# Altium PCB GenPulseBox.PcbDoc (part 3 of 3)
Units mm, origin at the board's own origin, x right, y up, seen from the top; angles counter-clockwise.
Board outline 140 x 74.6 mm, 4 copper layers (Top Layer, Mid-Layer 1, Mid-Layer 2, Bottom Layer), stack 1.572 mm thick; 214 components, 189 nets, 883 pads, 234 vias.
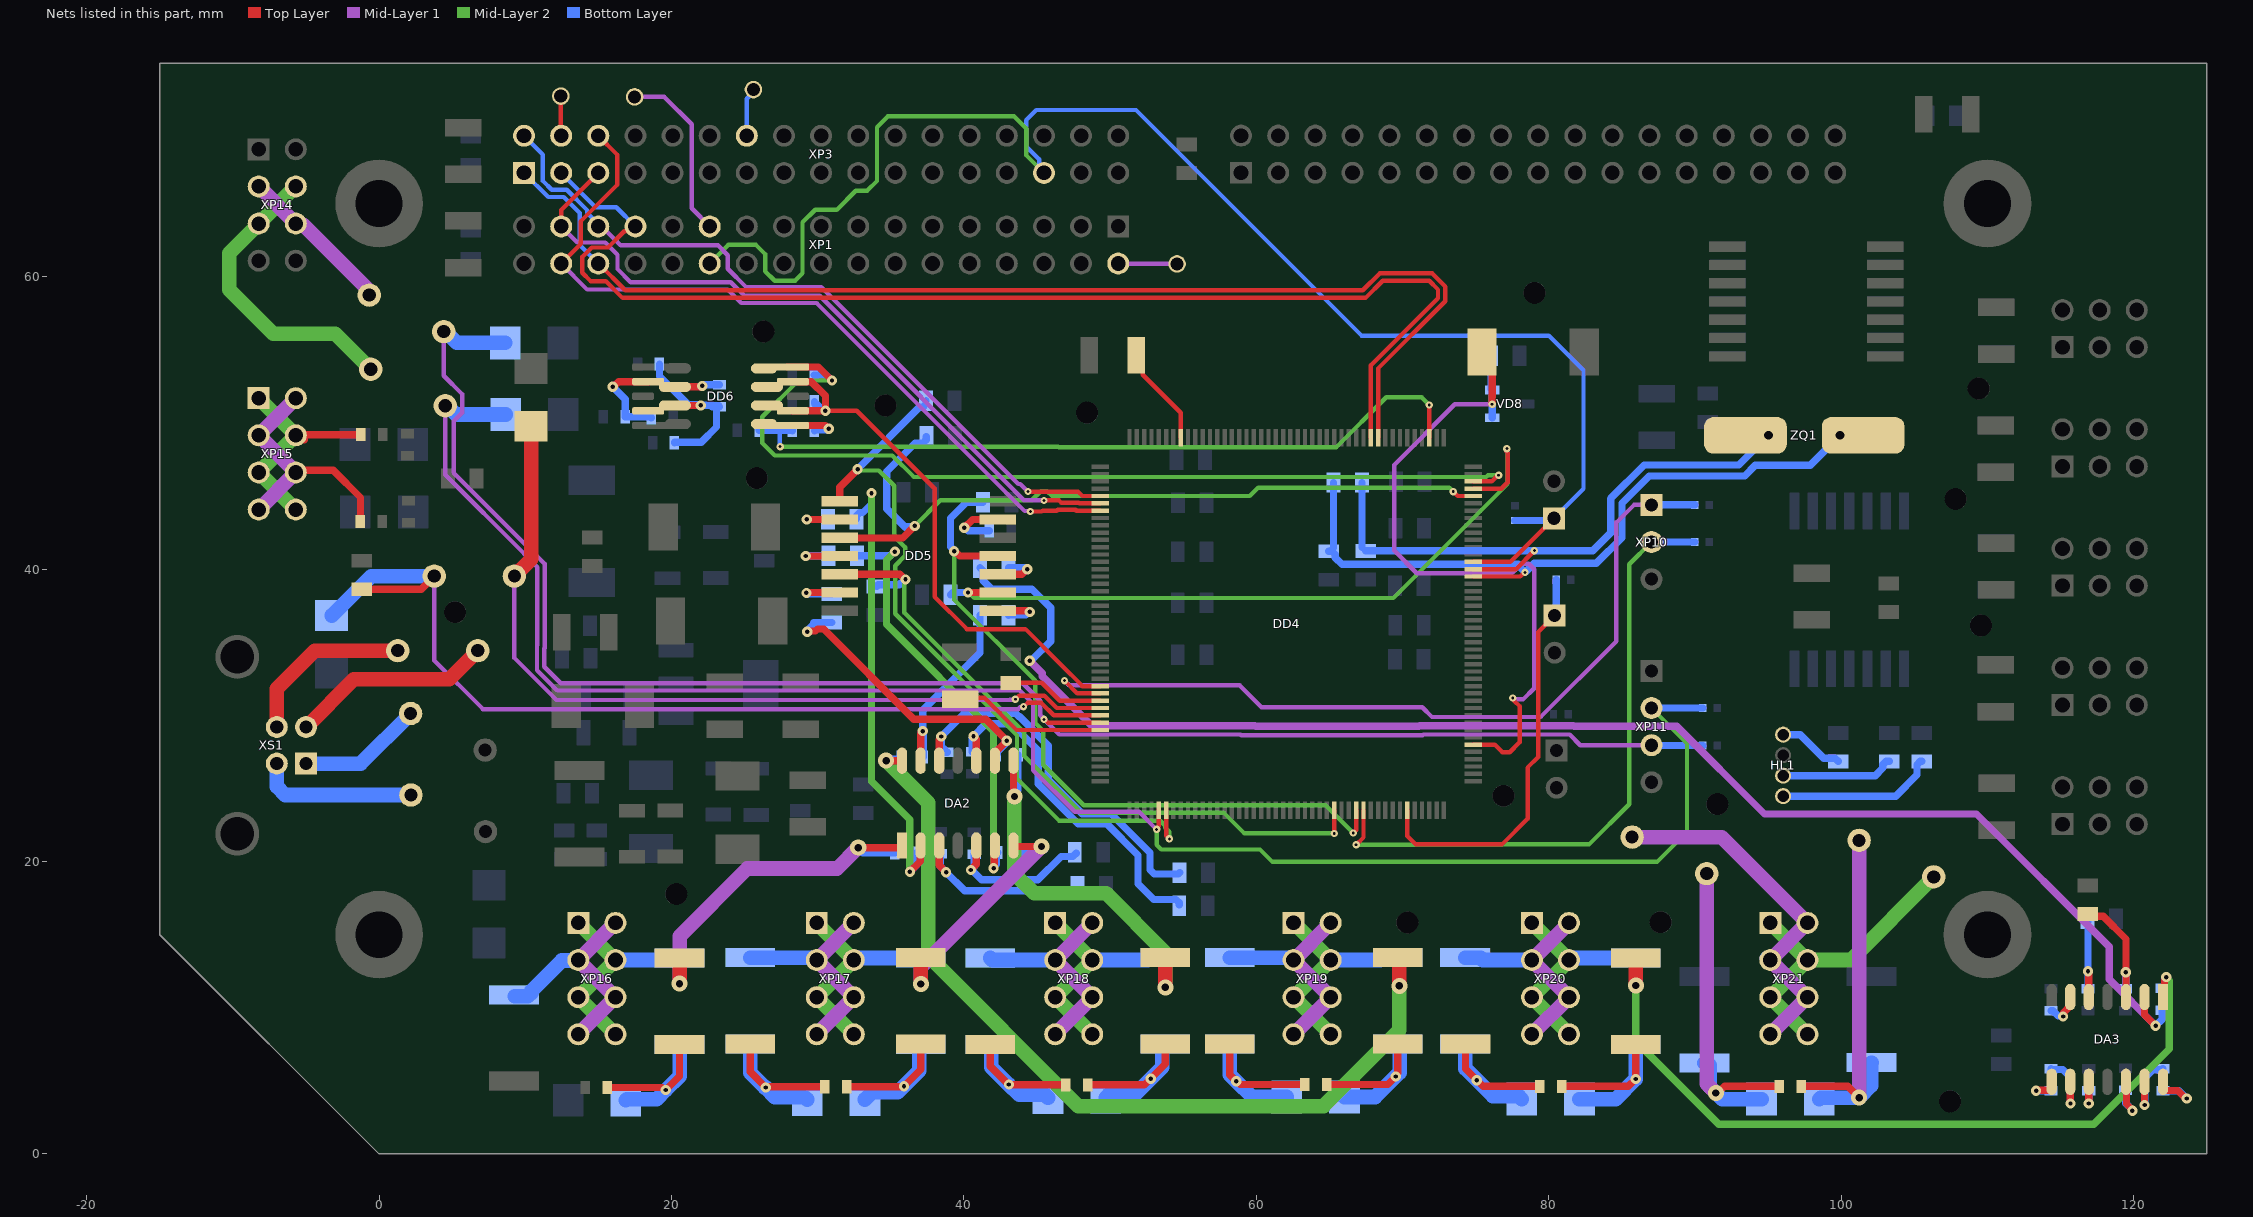
[diagram p5: the nets of this part, all layers, seen from the top]

## Via types
v1: diameter 0.5, hole 0.2, Top Layer to Bottom Layer, tented both sides, 100 vias
v2: diameter 0.7, hole 0.3, Top Layer to Bottom Layer, tented both sides, 83 vias
v3: diameter 1.1, hole 0.5, Top Layer to Bottom Layer, tented both sides, 51 vias

## Nets (pads, with @x,y where several pads share a name; then routed paths per layer and width w, separated by ;. In a path a pad name is that pad's centre, name@x,y a point inside that pad or via, vN(x,y) a via of type N, cw(c..) or ccw(c..) an arc to the next point about the centre after c; other vN are vias at no path point) (continued)
NetC62_2: C62.2 R60.2 R75.1 VD9.KA2 | length 15.8
  Top Layer w0.5: C62.2@15.6,4.55 19.371,4.55 19.546,4.375 v2(19.6,4.375) 20.55,5.325 R60.2@20.55,7.5
  Bottom Layer w0.5: VD9.KA2@16.875,3.675 17.155,3.955 18.455,3.955
  Bottom Layer w1: VD9.KA2@16.875,3.675 16.948,3.748 18.455,3.748 18.973,3.748 v2(19.6,4.375) 20.55,5.325 R75.1@20.55,7.5
NetC63_1: C63.1 R63.2 R78.1 VD10.KA1 | length 14.1
  Top Layer w0.5: R63.2@25.375,7.525 25.375,5.625 v2(26.45,4.55) 26.504,4.55 26.554,4.6 C63.1@30.475,4.6
  Bottom Layer w1: R78.1@25.375,7.525 25.375,5.55 26.375,4.55 v2(26.45,4.55) ; v2@26.4,4.55 27.061,3.889 29.111,3.889 VD10.KA1@29.275,3.725
NetC63_2: C63.2 R62.2 R77.1 VD10.KA2 | length 13.7
  Top Layer w0.5: C63.2@31.975,4.6 v2@35.875,4.6 ; v2(35.9,4.625) 37.05,5.775 R62.2@37.05,7.525
  Bottom Layer w1: VD10.KA2@33.225,3.725 33.72,4.22 35.47,4.22 36.95,5.7 36.95,7.35 37.05,7.45 R77.1@37.05,7.5
NetC64_1: C64.1 R65.2 R80.1 VD11.KA1 | length 13.5
  Top Layer w0.5: R65.2@41.8,7.5 41.8,6 v2@43.062,4.738 ; v2@43.075,4.725 C64.1@46.975,4.725
  Bottom Layer w1: R80.1@41.8,7.5 41.864,7.436 41.864,5.936 43.05,4.75 v2(43.075,4.75) 43.786,4.039 45.561,4.039 VD11.KA1@45.75,3.85
NetC64_2: C64.2 R64.2 R79.1 VD11.KA2 | length 13.7
  Top Layer w0.5: C64.2@48.475,4.725 52.35,4.725 53.775,6.15 R64.2@53.775,7.525
  Bottom Layer w1: VD11.KA2@49.7,3.85 49.914,4.064 51.689,4.064 53.561,5.936 53.561,7.375 53.625,7.375 R79.1@53.775,7.525
  other v2: 52.775,5.15
NetC65_1: C65.1 R67.2 R82.1 VD12.KA1 | length 14.1
  Top Layer w0.5: R67.2@58.175,7.525 58.175,5.425 v2(58.625,4.975) 58.679,4.975 58.904,4.75 C65.1@63.3,4.75
  Bottom Layer w1: R82.1@58.175,7.525 58.175,5.425 v2(58.625,4.975) 59.7,3.9 VD12.KA1@62.075,3.9
NetC65_2: C65.2 R66.2 R81.1 VD12.KA2 | length 13.7
  Top Layer w0.5: C65.2@64.8,4.75 68.975,4.75 v2(69.525,5.3) 69.525,5.354 69.675,5.504 R66.2@69.675,7.525
  Bottom Layer w1: VD12.KA2@66.025,3.9 68.125,3.9 69.8,5.575 69.8,7.375 69.675,7.5 R81.1@69.675,7.525
NetC66_1: C66.1 R69.2 R84.1 VD13.KA1 | length 13.7
  Top Layer w0.5: R69.2@74.3,7.525 74.3,5.825 75.5,4.625 C66.1@79.375,4.625
  Bottom Layer w1: R84.1@74.275,7.525 74.275,5.85 76.186,3.939 77.961,3.939 VD13.KA1@78.15,3.75
  other v2: 75.075,5.05
NetC66_2: C66.2 R68.2 R83.1 VD13.KA2 | length 14.4
  Top Layer w0.5: C66.2@80.875,4.625 85.444,4.625 v2(85.95,5.131) R68.2@85.95,7.5
  Bottom Layer w1: VD13.KA2@82.1,3.75 84.569,3.75 v2(85.95,5.131) R83.1@85.95,7.5
NetC67_1: C67.1 FU8.1 R71.2 VD14.KA1 | length 25
  Top Layer w0.5: v3(91.425,4.175) 91.568,4.175 92.018,4.625 C67.1@95.75,4.625
  Mid-Layer 1 w1: FU8.1@90.8,19.175 90.8,4.811 91.425,4.186 v3(91.425,4.175)
  Bottom Layer w1: R71.2@90.65,6.225 90.86,6.225 91.01,6.075 91.01,4.617 ; v3(91.425,4.175) 91.452,4.175 91.877,3.75 VD14.KA1@94.55,3.75
NetC67_2: C67.2 FU7.1 R70.2 VD14.KA2 | length 27.4
  Top Layer w0.5: C67.2@97.25,4.625 100.45,4.625 v3(101.225,3.85)
  Mid-Layer 1 w1: v3(101.225,3.85) FU7.1@101.225,21.45
  Bottom Layer w1: VD14.KA2@98.5,3.75 98.6,3.85 v3(101.225,3.85) 102.061,4.686 102.061,6.236 R70.2@102.075,6.25
NetDA2_2: DA2.2 R35.1 R52.1 | length 32.9
  Top Layer w0.5: v2(36.3,19.3) 37,20 37,21.061 DA2.2@37.035,21.096
  Mid-Layer 2 w0.5: v2(33.675,45.2) 33.675,25.5 36.3,22.875 v2(36.3,19.3)
  Bottom Layer w0.5: R35.1@32.65,43.425 32.65,43.65 32.875,43.875 33.1,43.875 33.675,44.45 v2(33.675,45.2) ; v2(36.3,19.3) 36.753,19.753 36.753,20.578 R52.1@36.771,20.596
NetDA2_3: DA2.3 R29.1 R44.2 | length 12.6
  Top Layer w0.5: DA2.3@38.305,21.096 38.305,19.745 v2(38.775,19.275)
  Bottom Layer w0.5: R44.2@38.375,20.546 38.375,19.675 v2(38.775,19.275) 40.05,18 R29.1@47.4,18
NetDA2_5: DA2.5 R30.1 R45.2 | length 11.2
  Top Layer w0.5: v2(40.475,19.425) 40.475,19.448 40.845,19.818 DA2.5@40.845,21.096
  Bottom Layer w0.5: R45.2@40.7,20.496 40.7,19.65 v2(40.475,19.425) 40.529,19.425 41.204,18.75 45.05,18.75 46.643,20.343 47.443,20.343 R30.1@47.675,20.575
NetDA2_6: DA2.6 R36.1 R53.1 | length 30.4
  Top Layer w0.5: v2(42.025,19.55) 42.025,19.604 42.077,19.656 42.077,21.057 DA2.6@42.115,21.096
  Mid-Layer 2 w0.5: v2(35.275,41.2) 34.7,40.625 34.7,36.225 42.025,28.9 v2(42.025,19.55)
  Bottom Layer w0.5: R36.1@32.675,40.925 34.946,40.925 35.221,41.2 v2(35.275,41.2) ; v2(42.025,19.55) 42.025,19.604 42.229,19.808 42.229,20.546 R53.1@42.304,20.621
NetDA2_9: DA2.9 R37.1 R54.1 | length 21.7
  Top Layer w0.5: v2(29.275,35.725) 29.313,35.763 29.849,35.763 29.986,35.9 30.4,35.9 36.575,29.725 41.48,29.725 42.925,28.28 v2(42.925,28.266) ; DA2.9@42.115,26.896 42.115,27.441 v2@42.82,28.147
  Bottom Layer w0.5: v2(29.275,35.725) 29.275,35.779 29.725,36.229 29.725,36.35 R37.1@30.95,36.35 ; R54.1@42.2,27.3 42.275,27.375 42.275,27.5 42.887,28.112 42.887,28.227 v2(42.925,28.266)
NetDA2_10: DA2.10 R31.1 R46.2 | length 25.1
  Top Layer w0.5: v2(40.65,28.575) 40.845,28.38 DA2.10@40.845,26.896
  Bottom Layer w0.3: R31.1@54.725,16.975 R31.1@54.725,17.025
  Bottom Layer w0.5: R46.2@40.575,27.5 40.575,28.446 40.65,28.521 v2(40.65,28.575) 41.5,29.425 43.25,29.425 45.075,27.6 45.075,25.3 47.8,22.575 49.76,22.575 51.9,20.435 51.9,18.475 52.971,17.404 54.5,17.404 54.725,17.179 R31.1@54.725,17.025
NetDA2_12: DA2.12 R32.1 R47.2 | length 26.6
  Top Layer w0.5: DA2.12@38.305,26.896 38.305,28.351 38.45,28.496 v2(38.45,28.55)
  Bottom Layer w0.5: R47.2@38.85,27.475 38.725,27.475 38.65,27.55 38.65,27.675 38.45,27.875 v2(38.45,28.55) 40.025,30.125 43.548,30.125 43.779,29.894 43.806,29.894 45.775,27.925 45.775,25.59 48.09,23.275 50.05,23.275 52.725,20.6 52.725,19.443 53.018,19.15 54.65,19.15 R32.1@54.75,19.25
NetDA2_13: DA2.13 R38.1 R55.1 | length 13.4
  Top Layer w0.5: DA2.13@37.035,26.896 37.035,28.731 37.175,28.871 v2(37.175,28.925)
  Bottom Layer w0.5: R55.1@37.225,27.15 37.225,28.846 37.175,28.896 37.175,30.35 41.1,34.275 R38.1@41.1,36.85
NetDA3_2: DA3.2 R39.1 R56.1 | length 102.9
  Top Layer w0.5: DA3.2@120.745,10.735 120.745,9.53 v2(121.5,8.775)
  Mid-Layer 1 w0.5: v2(44.5,33.74) 45.351,32.888 45.351,32.682 48.745,29.288 59.911,29.288 59.949,29.25 71.115,29.25 71.153,29.288 81.679,29.288 81.717,29.25 88.75,29.25 94.75,23.25 109.25,23.25 118.325,14.175 118.325,11.95 v2(121.5,8.775)
  Bottom Layer w0.5: R39.1@41.1,40.1 41.325,39.875 41.325,39.2 41.9,38.625 44.65,38.625 45.925,37.35 45.925,35.075 44.69,33.84 44.654,33.84 44.554,33.74 v2(44.5,33.74) ; v2(121.5,8.775) 121.95,9.225 R56.1@121.95,9.825
NetDA3_3: DA3.3 R33.1 R48.2 | length 8.4
  Top Layer w0.5: R33.1@116.85,16.425 117.018,16.257 117.918,16.257 119.475,14.7 DA3.3@119.475,10.735
  Bottom Layer w0.5: R48.2@119.45,11.3 119.457,11.307 v2(119.457,12.432)
NetDA3_5: DA3.5 R28.1 R43.2 | length 6.6
  Top Layer w0.5: v2(116.875,12.5) 116.875,12.446 116.935,12.386 DA3.5@116.935,10.735
  Bottom Layer w0.5: R43.2@116.85,16.1 116.875,16.075 v2(116.875,12.5) R28.1@116.875,11.3
NetDA3_6: DA3.6 R57.2 | length 2.5
  Top Layer w0.5: v2(115.175,9.4) 115.213,9.438 115.213,9.679 115.665,10.131 DA3.6@115.665,10.735
  Bottom Layer w0.5: R57.2@114.35,9.8 114.475,9.8 114.837,9.438 115.137,9.438 v2(115.175,9.4)
NetDA3_8: DA3.8 R58.1 | length 2.6
  Top Layer w0.5: v2(113.327,4.32) 113.365,4.358 114.303,4.358 114.395,4.451 DA3.8@114.395,4.935
  Bottom Layer w0.5: v2(113.327,4.32) 113.329,4.323 114.348,4.323 R58.1@114.35,4.325
NetDA3_9: DA3.9 R58.2 | length 4.9
  Top Layer w0.5: DA3.9@115.665,4.935 115.672,4.928 115.672,3.457 v2(115.678,3.45)
  Bottom Layer w0.5: R58.2@114.35,5.825 114.393,5.782 115.143,5.782 115.675,5.25 115.675,3.453 v2(115.678,3.45)
NetDA3_10: DA3.10 R40.1 | length 2.4
  Top Layer w0.5: v2(116.925,3.45) 116.93,3.455 116.93,4.93 DA3.10@116.935,4.935
  Bottom Layer w0.5: v2(116.925,3.45) R40.1@116.925,4.325
NetDA3_12: DA3.12 R41.1 | length 3.7
  Top Layer w0.5: DA3.12@119.475,4.935 119.513,4.897 119.513,3.416 119.916,3.013 v2(119.916,2.959)
  Bottom Layer w0.5: R41.1@119.45,4.35 119.45,3.479 119.916,3.013 v2(119.916,2.959)
NetDA3_13: DA3.13 R59.2 | length 4.9
  Top Layer w0.5: DA3.13@120.745,4.935 120.745,3.355 v2(120.75,3.35)
  Bottom Layer w0.5: v2(120.75,3.35) 120.75,5.2 121.3,5.75 121.925,5.75 R59.2@122,5.825
NetDA3_14: DA3.14 R59.1 | length 4.2
  Top Layer w0.5: DA3.14@122.015,4.935 122.015,4.439 122.107,4.347 123.024,4.347 123.574,3.797 v2(123.628,3.797)
  Bottom Layer w0.5: R59.1@122,4.325 123.1,4.325 v2(123.628,3.797)
NetDD5_2: DD5.2 R35.2 | length 3.7
  Top Layer w0.5: v2(29.25,43.4) DD5.2@31.5,43.4
  Bottom Layer w0.5: v2(29.25,43.4) 30.675,43.4 R35.2@30.7,43.425
NetDD5_4: DD5.4 R36.2 | length 3.9
  Top Layer w0.5: v2(29.172,40.897) v2(29.172,40.897) 31.498,40.898 DD5.4@31.5,40.9
  Bottom Layer w0.5: v2(29.172,40.897) 29.186,40.911 30.711,40.911 R36.2@30.725,40.925
NetDD5_6: DD5.6 R37.2 | length 4
  Top Layer w0.5: v2(29.225,38.375) 29.25,38.4 DD5.6@31.5,38.4
  Bottom Layer w0.5: v2(29.225,38.375) 29.279,38.375 29.354,38.3 R37.2@30.95,38.3
NetDD5_8: DD5.8 R38.2 | length 3.8
  Top Layer w0.5: DD5.8@42.3,37.15 44.367,37.15 44.442,37.075 v2(44.496,37.075)
  Bottom Layer w0.5: R38.2@43.05,36.85 43.063,36.863 44.23,36.863 44.442,37.075 v2(44.496,37.075)
NetDD5_10: DD5.10 R39.2 | length 3.5
  Top Layer w0.5: DD5.10@42.3,39.65 43.975,39.65 v2(44.325,40)
  Bottom Layer w0.5: R39.2@43.05,40.1 44.171,40.1 44.271,40 v2(44.325,40)
NetDD5_13: DD5.13 R42.1 | length 4.3
  Top Layer w0.5: v2(40.025,42.825) 40.6,43.4 DD5.13@42.3,43.4
  Bottom Layer w0.5: v2(40.025,42.825) 40.079,42.825 40.283,42.621 R42.1@41.725,42.621
NetDD6_1: DD6.1 R50.2 | length 4
  Top Layer w0.5: DD6.1@27.9,49.825 30.525,49.825 v2(30.75,49.6)
  Bottom Layer w0.5: R50.2@29.771,49.475 29.832,49.536 30.632,49.536 30.696,49.6 v2(30.75,49.6)
NetDD6_6: DD6.6 R18.2 R19.2 R20.1 | length 9.9
  Top Layer w0.5: v2(15.975,52.475) 16.018,52.475 16.368,52.825 DD6.6@18.4,52.825 ; DD6.6@20.225,52.465 21.982,52.465 22.049,52.533 v2(22.103,52.533)
  Bottom Layer w0.5: v2(15.975,52.475) 16.825,51.625 R19.2@16.825,50.425 18.541,50.425 R18.2@18.616,50.35 ; v2(22.103,52.533) 22.158,52.533 22.229,52.604 R20.1@23.275,52.604
NetDD6_7: DD6.7 R20.2 R21.2 R27.1 | length 12.8
  Top Layer w0.5: DD6.7@20.225,51.195 21.995,51.195 v2(22,51.2)
  Bottom Layer w0.5: R21.2@19.175,54.025 19.18,54.02 19.18,53.195 21.137,51.238 21.962,51.238 v2(22,51.2) 22.782,51.2 22.803,51.179 23.225,51.179 23.075,51.029 23.075,49.725 22.025,48.675 20.229,48.675 R27.1@20.2,48.646 ; 22.782,51.104 R20.2@23.275,51.104
NetFU1_1: FU1.1 XS1.2 | length 13.9
  Top Layer w1: XS1.2@-5,29.2 -1.725,32.475 4.8,32.475 FU1.1@6.75,34.425
NetFU2_2: FU2.2 XS1.4 | length 11
  Bottom Layer w1: XS1.4@-7,26.7 -7,25.136 -6.414,24.55 FU2.2@2.175,24.55
NetFU3_1: FU3.1 XS1.3 | length 12
  Top Layer w1: XS1.3@-7,29.2 -7,31.825 -4.4,34.425 FU3.1@1.275,34.425
NetFU4_2: FU4.2 XS1.1 | length 8.6
  Bottom Layer w1: XS1.1@-5,26.7 -1.275,26.7 FU4.2@2.15,30.125
NetFU5_2: FU5.2 XP14.4 XP14.5 | length 20.9
  Mid-Layer 2 w1: XP14.4@-5.7,66.175 XP14.5@-8.24,63.635 -10.261,61.614 -10.261,60.786 -10.25,60.775 -10.25,59.1 -7.25,56.1 -3,56.1 FU5.2@-0.575,53.675
NetFU6_2: FU6.2 XP14.3 XP14.6 | length 10.8
  Mid-Layer 1 w1: XP14.3@-8.24,66.175 XP14.6@-5.7,63.635 -5.604,63.539 -5.189,63.539 -0.79,59.14 -0.79,58.859 FU6.2@-0.675,58.744
NetFU7_2: FU7.2 XP21.1 XP21.4 XP21.5 XP21.8 | length 21.8
  Mid-Layer 2 w1: XP21.1@95.15,15.805 XP21.4@97.69,13.265 ; XP21.8@97.69,8.185 XP21.5@95.15,10.725 XP21.4@97.69,13.265 ; FU7.2@106.325,18.95 100.64,13.265 XP21.4@97.69,13.265
NetFU8_2: FU8.2 XP21.2 XP21.3 XP21.6 XP21.7 | length 25.5
  Mid-Layer 1 w1: FU8.2@85.7,21.675 91.82,21.675 XP21.2@97.69,15.805 XP21.3@95.15,13.265 XP21.6@97.69,10.725 XP21.7@95.15,8.185
  Bottom Layer w1: XP21.3@94.905,13.375 95.015,13.265 XP21.3@95.15,13.265
NetHL1_1: HL1.1 R73.1 | length 10.9
  Bottom Layer w0.5: HL1.1@96.025,24.475 103.725,24.475 105.184,25.934 105.184,26.625 105.409,26.85 R73.1@105.504,26.85
NetHL1_2: HL1.2 R72.1 | length 7.8
  Bottom Layer w0.5: HL1.2@96.025,25.875 102.325,25.875 102.85,26.4 102.85,26.625 103.075,26.85 R72.1@103.3,26.85
NetHL1_4: HL1.4 R74.1 | length 4.5
  Bottom Layer w0.5: HL1.4@96.025,28.675 97.2,28.675 98.8,27.075 99.575,27.075 R74.1@99.8,26.85
NetKT1_1: KT1.1 XP1.2 | length 4
  Mid-Layer 1 w0.3: XP1.2@50.55,60.9 50.575,60.875 KT1.1@54.575,60.875
NetKT2_1: KT2.1 XP1.23 | length 12.2
  Mid-Layer 1 w0.3: KT2.1@17.475,72.3 19.5,72.3 21.375,70.425 21.375,64.675 XP1.23@22.61,63.44
NetKT3_1: KT3.1 XP3.4 | length 2.7
  Top Layer w0.3: KT3.1@12.425,72.35 12.425,69.665 XP3.4@12.45,69.64
NetKT4_1: KT4.1 XP3.14 | length 3.3
  Bottom Layer w0.3: XP3.14@25.15,69.64 25.15,72.174 25.6,72.624 KT4.1@25.6,72.8
NetR15_1: R15.1 XP15.2 XP15.3 XP15.6 XP15.7 | length 17.7
  Top Layer w0.5: XP15.6@-5.7,46.613 XP15.6@-5.509,46.422 ; XP15.6@-5.534,46.772 -3.147,46.772 -1.275,44.9 R15.1@-1.275,43.25
  Mid-Layer 1 w1: XP15.7@-8.24,44.073 XP15.6@-5.7,46.613 XP15.3@-8.24,49.153 XP15.2@-5.7,51.693
NetR17_1: R17.1 XP15.1 XP15.4 XP15.5 XP15.8 | length 15.4
  Top Layer w0.5: XP15.4@-5.7,49.153 -5.429,49.153 XP15.4@-5.126,48.85 ; XP15.4@-5.151,49.2 R17.1@-1.25,49.2
  Mid-Layer 2 w1: XP15.1@-8.24,51.693 XP15.4@-5.7,49.153 XP15.5@-8.24,46.613 XP15.8@-5.7,44.073
NetR75_2: R75.2 XP16.1 XP16.4 XP16.5 XP16.8 | length 15.2
  Mid-Layer 2 w1: XP16.1@13.625,15.805 XP16.4@16.165,13.265 XP16.5@13.625,10.725 XP16.8@16.165,8.185
  Bottom Layer w1: XP16.4@16.165,13.265 20.415,13.265 R75.2@20.55,13.4
NetR76_2: R76.2 XP16.2 XP16.3 XP16.6 XP16.7 | length 16.2
  Mid-Layer 1 w1: XP16.7@13.625,8.185 XP16.6@16.165,10.725 XP16.3@13.625,13.265 XP16.2@16.165,15.805
  Bottom Layer w1: R76.2@9.275,10.775 10.175,10.775 10.425,11.025 10.425,11.175 12.479,13.229 13.589,13.229 XP16.3@13.625,13.265
NetR77_2: R77.2 XP17.1 XP17.4 XP17.5 XP17.8 | length 15.4
  Mid-Layer 2 w1: XP17.1@29.93,15.805 30.18,15.555 XP17.4@32.47,13.265 XP17.5@29.93,10.725 XP17.8@32.47,8.185
  Bottom Layer w1: XP17.4@32.47,13.265 32.605,13.265 32.74,13.4 R77.2@37.05,13.4
NetR78_2: R78.2 XP17.2 XP17.3 XP17.6 XP17.7 | length 15.4
  Mid-Layer 1 w1: XP17.7@29.93,8.185 XP17.6@32.47,10.725 XP17.3@29.93,13.265 XP17.2@32.47,15.805
  Bottom Layer w1: R78.2@25.375,13.425 29.635,13.425 29.795,13.265 XP17.3@29.93,13.265
NetR79_2: R79.2 XP18.1 XP18.4 XP18.5 XP18.8 | length 15.8
  Mid-Layer 2 w1: XP18.1@46.235,15.805 XP18.4@48.775,13.265 XP18.5@46.235,10.725 XP18.8@48.775,8.185
  Bottom Layer w1: XP18.4@48.775,13.265 52.565,13.265 52.725,13.425 R79.2@53.775,13.425
NetR80_2: R80.2 XP18.2 XP18.3 XP18.6 XP18.7 | length 15.3
  Mid-Layer 1 w1: XP18.7@46.235,8.185 XP18.6@48.775,10.725 XP18.3@46.235,13.265 XP18.2@48.775,15.805
  Bottom Layer w1: R80.2@41.8,13.4 41.935,13.265 XP18.3@46.235,13.265
NetR81_2: R81.2 XP19.1 XP19.4 XP19.5 XP19.8 | length 15.4
  Mid-Layer 2 w1: XP19.1@62.54,15.805 XP19.4@65.08,13.265 XP19.5@62.54,10.725 XP19.8@65.08,8.185
  Bottom Layer w1: XP19.4@65.08,13.265 68.465,13.265 68.625,13.425 R81.2@69.675,13.425
NetR82_2: R82.2 XP19.2 XP19.3 XP19.6 XP19.7 | length 15.2
  Mid-Layer 1 w1: XP19.7@62.54,8.185 XP19.6@65.08,10.725 XP19.3@62.54,13.265 XP19.2@65.08,15.805
  Bottom Layer w1: R82.2@58.175,13.425 62.245,13.425 62.405,13.265 XP19.3@62.54,13.265
NetR83_2: R83.2 XP20.1 XP20.4 XP20.5 XP20.8 | length 15.4
  Mid-Layer 2 w1: XP20.1@78.845,15.805 XP20.4@81.385,13.265 XP20.5@78.845,10.725 XP20.8@81.385,8.185
  Bottom Layer w1: XP20.4@81.385,13.265 81.52,13.265 81.655,13.4 R83.2@85.95,13.4
NetR84_2: R84.2 XP20.2 XP20.3 XP20.6 XP20.7 | length 15.4
  Mid-Layer 1 w1: XP20.7@78.845,8.185 XP20.6@81.385,10.725 XP20.3@78.845,13.265 XP20.2@81.385,15.805
  Bottom Layer w1: R84.2@74.275,13.425 75.325,13.425 75.485,13.265 XP20.3@78.845,13.265
NRST: DD4.31 R8.2 XP1.24 XP3.29 XP13.1 | length 107
  Top Layer w0.3: DD4.31@74.825,40.5 77.375,40.5 XP13.1@80.35,43.475
  Mid-Layer 2 w0.3: XP1.24@22.61,60.9 23.885,62.175 25.775,62.175 26.4,61.55 26.4,60.375 27.05,59.725 28.45,59.725 28.96,60.235 28.96,63.726 29.821,64.587 31.312,64.587 32.6,65.875 33.375,65.875 34.05,66.55 34.05,70.225 34.8,70.975 43.425,70.975 44.25,70.15 44.25,68.32 XP3.29@45.47,67.1
  Bottom Layer w0.3: XP3.29@45.47,67.1 45.47,67.425 45.136,67.758 45.136,68.039 44.25,68.925 44.25,70.7 44.95,71.4 51.764,71.4 67.189,55.975 80,55.975 82.375,53.6 82.375,45.5 XP13.1@80.35,43.475
  Bottom Layer w0.5: R8.2@77.675,43.325 80.2,43.325 XP13.1@80.35,43.475
OTG_FS_DM: DD4.122 FU1.2 VD1.KA2 | length 58.1
  Top Layer w0.3: v1(43.512,31.1) 43.538,31.1 43.788,31.35 45.493,31.35 46.343,30.5 DD4.122@49.325,30.5
  Top Layer w1: FU1.2@9.25,39.525 10.4,40.675 VD1.KA2@10.4,49.775
  Mid-Layer 1 w0.3: FU1.2@9.25,39.525 9.25,33.925 12.125,31.05 43.125,31.05 43.149,31.074 43.486,31.074 v1(43.512,31.1)
OTG_FS_DP: DD4.123 FU3.2 R1.2 VD2.KA2 | length 66.7
  Top Layer w0.3: v1(44.069,30.594) 44.089,30.594 44.345,30.85 45.286,30.85 46.136,30 DD4.123@49.325,30
  Top Layer w0.5: R1.2@-1.175,38.625 2.875,38.625 FU3.2@3.775,39.525
  Mid-Layer 1 w0.3: FU3.2@3.775,39.525 3.775,33.75 7.096,30.429 43.704,30.429 43.831,30.556 44.031,30.556 v1(44.069,30.594)
  Bottom Layer w1: VD2.KA2@-3.25,36.825 -0.55,39.525 FU3.2@3.775,39.525
OTG_FS_ID: DD4.121 R2.2 | length 6.6
  Top Layer w0.3: R2.2@43.2,32.225 45.325,32.225 46.55,31 DD4.121@49.325,31
OUT_CH1(1): DA2.1 R52.2 R60.1 | length 25.5
  Top Layer w0.3: v3(20.55,11.65) v3@20.55,11.725
  Top Layer w0.5: v3(32.767,20.947) 35.665,20.947 35.765,21.047 DA2.1@35.765,21.096
  Top Layer w1: v3@20.55,11.725 R60.1@20.55,13.4
  Mid-Layer 1 w1: v3(20.55,11.65) 20.55,14.9 25.175,19.525 31.318,19.525 32.74,20.947 v3(32.767,20.947)
  Bottom Layer w0.5: v3(32.767,20.947) 32.767,20.915 33.087,20.596 R52.2@35.271,20.596
OUT_CH1(2): DA2.8 R54.2 R64.1 | length 27.7
  Top Layer w0.5: DA2.8@43.385,26.896 43.385,24.515 v3(43.45,24.45)
  Top Layer w1: v3(53.775,11.4) R64.1@53.775,13.425
  Mid-Layer 2 w1: v3(43.45,24.45) 43.45,19.175 44.8,17.825 49.725,17.825 53.775,13.775 v3(53.775,11.4)
  Bottom Layer w0.5: v3(43.45,24.45) 43.45,24.612 43.7,24.862 R54.2@43.7,27.3
OUT_CH2(1): DA2.7 R53.2 R62.1 | length 19.3
  Top Layer w0.5: R62.1@37.05,13.425 37.757,13.425 R62.1@38.157,13.825 ; DA2.7@43.385,21.025 v3(45.3,21.025)
  Top Layer w1: v3(37.05,11.625) R62.1@37.05,13.425
  Mid-Layer 1 w1: v3(37.05,11.625) 37.05,12.775 v3(45.3,21.025)
  Bottom Layer w0.5: R53.2@43.804,20.621 44.733,20.621 45.023,20.91 v3@45.215,20.91
OUT_CH2(2): DA2.14 R55.2 R66.1 | length 60.5
  Top Layer w0.5: v3(34.675,26.9) 34.677,26.898 35.763,26.898 DA2.14@35.765,26.896
  Top Layer w1: R66.1@69.675,13.425 69.775,13.325 v3(69.775,11.5)
  Mid-Layer 2 w1: v3(34.675,26.9) 37.55,24.025 37.55,13.55 47.825,3.275 64.589,3.275 69.775,8.461 v3(69.775,11.5)
  Bottom Layer w0.5: v3(34.675,26.9) 34.79,27.015 35.65,27.015 35.725,27.09 R55.2@35.725,27.15
OUT_SYNC: DA3.1 R56.2 R68.1 | length 54.1
  Top Layer w0.5: DA3.1@122.015,10.735 122.115,10.835 122.115,11.933 122.228,12.046 v2(122.228,12.1)
  Top Layer w1: v3(85.95,11.525) R68.1@85.95,13.4
  Mid-Layer 2 w0.5: v3(85.95,11.525) 85.95,7.7 91.625,2.025 117.275,2.025 122.425,7.175 122.425,11.849 122.228,12.046 v2(122.228,12.1)
  Bottom Layer w0.5: R56.2@121.95,11.325 122.075,11.325 122.15,11.4 122.15,11.968 122.228,12.046 v2(122.228,12.1)
PDR_ON: DD4.171 R9.2 XP9.1 | length 28.1
  Top Layer w0.3: DD4.171@70.325,23.5 70.325,21.75 70.9,21.175 76.8,21.175 78.55,22.925 78.55,26.425 79.275,27.15 79.275,35.7 XP9.1@80.4,36.825
  Bottom Layer w0.5: XP9.1@80.4,36.825 80.5,36.925 R9.2@80.5,39.275
PULSE_CH1(1): DD4.138 DD5.1 R26.1 | length 51
  Top Layer w0.3: DD4.138@53.825,23.5 53.825,21.775 v1(54.05,21.55)
  Top Layer w0.5: DD5.1@31.5,44.65 31.5,45.6 v2(32.725,46.825)
  Mid-Layer 2 w0.3: v2(32.725,46.825) 32.802,46.748 34.177,46.748 35.225,45.7 35.225,42.24 35.975,41.49 35.975,40.91 35.3,40.235 35.3,36.943 43.625,28.618 43.625,25.675 46.5,22.8 53.424,22.8 53.775,22.449 53.775,22.324 54.05,22.049 v1(54.05,21.55)
  Bottom Layer w0.5: v2(32.725,46.825) 32.725,46.85 36.95,51.075 37.175,51.075 37.4,51.3 R26.1@37.4,51.525
PULSE_CH1(2): DD4.161 DD5.5 R23.1 | length 47.3
  Top Layer w0.3: v1(65.325,21.925) DD4.161@65.325,23.5
  Top Layer w0.5: DD5.5@31.5,39.65 35.607,39.65 35.961,39.296 v2(36,39.296)
  Mid-Layer 2 w0.3: v2(36,39.296) 35.925,39.221 35.925,37.025 44.125,28.825 44.125,27.218 47.993,23.35 57.756,23.35 59.181,21.925 v1(65.325,21.925)
  Bottom Layer w0.5: R23.1@34.025,38.825 34.123,38.923 35.573,38.923 35.946,39.296 v2(36,39.296)
PULSE_CH2(1): DD4.40 DD5.3 R22.1 | length 54.1
  Top Layer w0.3: v1(73.465,45.3) 73.475,45.3 73.775,45 DD4.40@74.825,45
  Top Layer w0.5: DD5.3@31.5,42.15 31.514,42.136 35.811,42.136 v2(36.632,42.957)
  Mid-Layer 2 w0.3: v2(36.632,42.957) 38.381,44.706 44.624,44.706 45.218,45.3 45.724,45.3 46.024,45 59.549,45 60.124,45.575 73.189,45.575 v1(73.465,45.3)
  Bottom Layer w0.5: v2(36.632,42.957) 36.594,42.919 36.043,42.919 35.987,42.863 34.725,44.125 34.725,46.675 36.675,48.625 37.2,48.625 37.425,48.85 R22.1@37.425,49.075
PULSE_CH2(2): DD4.41 DD5.9 R24.1 | length 50.9
  Top Layer w0.3: DD4.41@74.825,45.5 76.75,45.5 77.2,45.95 77.2,47.939 77.127,48.013 v1(77.127,48.238)
  Top Layer w0.5: v2(40.275,38.4) DD5.9@42.3,38.4
  Mid-Layer 2 w0.3: v2(40.275,38.4) 40.325,38.4 40.7,38.025 69.37,38.025 77.175,45.83 77.175,48.049 77.165,48.059 77.165,48.2 v1(77.127,48.238)
  Bottom Layer w0.5: R24.1@39.075,38.25 39.225,38.4 v2(40.275,38.4)
PULSE_SYNC: DD4.164 DD5.11 R25.1 | length 50
  Top Layer w0.3: v1(66.625,21.95) 66.825,22.15 DD4.164@66.825,23.5
  Top Layer w0.5: v2(39.325,41.225) 39.379,41.225 39.704,40.9 DD5.11@42.3,40.9
  Mid-Layer 2 w0.3: v2(39.325,41.225) 39.325,37.925 44.875,32.375 44.875,29.476 45.425,28.926 45.425,26.625 48.2,23.85 64.725,23.85 v1(66.625,21.95)
  Bottom Layer w0.5: v2(39.325,41.225) 39.325,41.279 39.075,41.529 39.075,43.475 40.175,44.575 R25.1@41.3,44.575
RCC_OSC_IN: C50.2 DD4.29 R16.2 ZQ1.2 | length 49.4
  Top Layer w0.3: DD4.29@74.825,39.5 78.044,39.5 78.321,39.776 v1(78.375,39.776)
  Bottom Layer w0.5: C50.2@64.95,41.225 65.175,41.225 65.4,41 65.4,40.775 65.85,40.325 77.905,40.325 77.905,40.247 v1(78.375,39.776) ; C50.2@65.05,41.225 65.275,41.45 R16.2@65.275,45.925 ; v1@78.414,39.816 78.999,40.4 83.25,40.4 85,42.15 85,44.506 86.869,46.375 93.4,46.375 94.125,47.1 97.875,47.1 ZQ1.2@99.925,49.15
RCC_OSC_OUT: C51.2 DD4.30 R16.1 ZQ1.1 | length 41.4
  Top Layer w0.3: DD4.30@74.825,40 77.75,40 v1(79.013,41.263)
  Bottom Layer w0.5: C51.2@67.225,41.475 R16.1@67.225,45.925 ; C51.2@67.475,41.25 67.488,41.263 83.013,41.263 84.237,42.488 84.237,44.837 86.525,47.125 93,47.125 ZQ1.1@95.025,49.15
RS485_DI: DD4.42 DD6.4 R34.2 | length 65.7
  Top Layer w0.3: DD4.42@74.825,46 76.096,46 76.516,46.42 v1(76.57,46.42)
  Top Layer w0.5: DD6.4@27.9,53.825 30.05,53.825 v2(30.975,52.9)
  Mid-Layer 2 w0.3: v2(30.975,52.9) 28.675,52.9 26.2,50.425 26.2,48.625 27.05,47.775 35.1,47.775 36.575,46.3 75.72,46.3 75.84,46.42 v1(76.57,46.42)
  Bottom Layer w0.5: R34.2@29.746,53.275 30.59,53.275 30.965,52.9 v2(30.975,52.9)
RS485_EN: DD4.119 DD6.2 DD6.3 R49.2 | length 37.9
  Top Layer w0.3: v2(30.525,50.825) 32.675,50.825 38,45.5 38,38.1 40.2,35.9 44.2,35.9 46.625,33.475 48.1,32 DD4.119@49.325,32
  Top Layer w0.5: DD6.2@28.3,50.825 v2(30.525,50.825) 30.525,51.85 29.55,52.825 DD6.3@28.3,52.825
  Bottom Layer w0.5: R49.2@29.771,51.45 29.771,51.325 29.846,51.25 29.971,51.25 30.357,50.863 30.487,50.863 v2(30.525,50.825)
RS485_RO: DD4.47 R50.1 R51.2 | length 51.7
  Top Layer w0.3: DD4.47@71.825,49 v1(71.825,51.225)
  Mid-Layer 2 w0.3: v1(27.425,48.375) 46.44,48.375 46.49,48.325 65.45,48.325 68.875,51.75 71.3,51.75 v1(71.825,51.225)
  Bottom Layer w0.3: 27.4,49.5 27.4,48.4 v1(27.425,48.375)
  Bottom Layer w0.5: R51.2@25.996,49.5 27.4,49.5 28.246,49.5 R50.1@28.271,49.475
SDIO: DD4.124 FU6.1 R11.1 VD4.KA2 XP11.3 | length 116.8
  Top Layer w0.3: v1(45.475,29.725) 45.526,29.725 45.751,29.5 DD4.124@49.325,29.5
  Mid-Layer 1 w0.3: FU6.1@4.425,56.244 4.425,53.225 5.675,51.975 5.675,50.699 5.1,50.124 5.1,46.582 11.325,40.357 11.325,34.598 11.3,34.573 11.3,33.325 12.425,32.2 44.019,32.2 45.225,30.994 45.225,30.001 45.475,29.751 v1(45.475,29.725) 46.512,28.688 58.918,28.688 58.957,28.65 71.363,28.65 71.402,28.688 81.43,28.688 82.158,27.96 XP11.3@87.025,27.96
  Bottom Layer w0.5: XP11.3@87.025,27.96 87.043,27.942 90.525,27.942 R11.1@90.525,27.93
  Bottom Layer w1: FU6.1@4.425,56.244 4.542,56.244 5.311,55.475 VD4.KA2@8.625,55.475
SWCLK: DD4.137 FU5.1 R6.1 VD5.KA2 XP11.2 | length 127.6
  Top Layer w0.3: v1(53.175,22.2) 53.175,22.254 53.325,22.404 DD4.137@53.325,23.5
  Mid-Layer 1 w0.3: FU5.1@4.525,51.175 4.525,46.45 9.875,41.1 9.875,41.075 10.825,40.125 10.825,34.805 10.8,34.78 10.8,33.082 12.182,31.7 43.812,31.7 44.725,30.787 44.725,26.25 47.575,23.4 51.975,23.4 v1(53.175,22.2)
  Mid-Layer 2 w0.3: v1(53.175,22.2) 53.175,21.15 53.5,20.825 60.25,20.825 61.1,19.975 87.4,19.975 89.45,22.025 89.45,28.075 XP11.2@87.025,30.5
  Bottom Layer w0.5: XP11.2@87.025,30.5 90.525,30.5 R6.1@90.525,30.505
  Bottom Layer w1: FU5.1@4.525,51.175 4.687,51.175 5.287,50.575 VD5.KA2@8.65,50.575
TP_CS: DD4.54 XP1.30 XP3.1 | length 80.7
  Top Layer w0.3: XP1.30@14.99,60.9 15.007,60.9 16.832,59.075 67.281,59.075 68.431,60.225 72.025,60.225 72.925,59.325 72.925,58.325 68.325,53.725 DD4.54@68.325,49
  Bottom Layer w0.3: XP3.1@9.91,67.1 11.56,65.45 12.625,65.45 13.72,64.355 13.72,62.17 XP1.30@14.99,60.9
TP_IRQ: DD4.55 XP1.27 XP3.3 | length 84.2
  Top Layer w0.3: XP1.27@17.53,63.44 17.205,63.44 16.877,63.111 16.761,63.111 15.65,62 14.534,62 13.89,61.356 13.89,60.275 14.465,59.7 15.5,59.7 16.65,58.55 67.463,58.55 68.638,59.725 71.818,59.725 72.425,59.118 72.425,58.532 67.825,53.932 DD4.55@67.825,49
  Bottom Layer w0.3: XP3.3@12.45,67.1 14.8,64.75 16.22,64.75 XP1.27@17.53,63.44
TP_MISO: DD4.94 XP1.31 XP3.5 | length 50
  Top Layer w0.3: XP1.31@12.45,63.44 12.45,64.56 XP3.5@14.99,67.1 ; v1(45.475,44.7) 46.5,44.7 46.65,44.55 47.843,44.55 47.893,44.5 DD4.94@49.325,44.5
  Mid-Layer 1 w0.3: XP1.31@12.45,63.44 13.55,62.34 15.46,62.34 16.3,61.5 16.3,60.525 17.2,59.625 24.057,59.625 24.982,58.7 30.13,58.7 44.129,44.7 v1(45.475,44.7)
TP_MOSI: DD4.95 XP1.32 XP3.6 | length 54.8
  Top Layer w0.3: XP1.32@12.45,60.9 13.8,62.25 13.8,63.806 16.275,66.281 16.275,68.355 XP3.6@14.99,69.64 ; v1(44.539,43.939) 45.327,43.939 45.389,44.001 46.355,44.001 46.404,44.05 47.636,44.05 47.686,44 47.727,44 DD4.95@49.325,44
  Mid-Layer 1 w0.3: XP1.32@12.45,60.9 14.225,59.125 23.85,59.125 24.775,58.2 29.922,58.2 44.145,43.978 44.5,43.978 v1(44.539,43.939)
TP_SCK: DD4.93 XP1.29 XP3.2 | length 51.4
  Top Layer w0.3: v1(44.375,45.306) 44.381,45.3 47.8,45.3 48.1,45 DD4.93@49.325,45
  Mid-Layer 1 w0.3: XP1.29@14.99,63.44 15.226,63.44 16.516,62.15 23.175,62.15 23.85,61.475 23.85,60.539 25.089,59.3 30.237,59.3 43.711,45.826 43.842,45.826 44.362,45.306 v1(44.375,45.306)
  Bottom Layer w0.3: XP3.2@9.91,69.64 11.2,68.35 11.2,66.55 11.8,65.95 12.832,65.95 14.22,64.562 14.22,64.367 14.99,63.597 XP1.29@14.99,63.44
USART1_RX: DD4.165 R10.1 XP10.2 | length 43.9
  Top Layer w0.3: v1(66.825,21.15) 67.325,21.65 DD4.165@67.325,23.5
  Mid-Layer 2 w0.3: v1(66.825,21.15) 73.451,21.15 73.476,21.175 82.75,21.175 85.5,23.925 85.5,40.33 XP10.2@87.025,41.855
  Bottom Layer w0.5: XP10.2@87.025,41.855 87.03,41.85 R10.1@89.975,41.85
USART1_TX: DD4.120 R5.1 XP10.1 | length 57.7
  Top Layer w0.3: v1(46.875,32.375) 47.75,31.5 DD4.120@49.325,31.5
  Mid-Layer 1 w0.3: v1(46.875,32.375) 47.2,32.05 58.85,32.05 60.35,30.55 71.35,30.55 72.012,29.888 79.438,29.888 84.625,35.075 84.625,43.195 85.825,44.395 XP10.1@87.025,44.395
  Bottom Layer w0.5: XP10.1@87.025,44.395 R5.1@89.975,44.395
VBAT: C56.2 C57.2 DD4.6 VD8.K1 VD8.K2 | length 50
  Top Layer w0.3: DD4.6@74.825,28 76.301,28 76.826,27.475 77.324,27.475 78,28.151 78,30.631 77.824,30.807 77.812,30.807 77.636,30.983 77.636,31.034 77.536,31.134 v1(77.536,31.188)
  Top Layer w0.5: C56.2@75.425,54.85 76.125,54.15 v1(76.125,51.275)
  Mid-Layer 1 w0.3: v1(76.125,51.275) 73.575,51.275 69.425,47.125 69.425,41.275 70.975,39.725 77.475,39.725 78.126,40.376 78.624,40.376 79,40 79,31.85 78.238,31.088 77.69,31.088 77.59,31.188 v1(77.536,31.188)
  Bottom Layer w0.5: C57.2@76.05,54.6 76.05,52.3 76.1,52.25 VD8.K2@76.125,52.25 v1(76.125,51.275) VD8.K1@76.125,50.35
VCAP_1: C52.2 DD4.81 | length 6.9
  Top Layer w0.3: C52.2@51.775,54.625 52.225,54.175 52.225,53.3 54.825,50.7 DD4.81@54.825,49
VCAP_2: C53.2 DD4.125 | length 10.8
  Top Layer w0.3: C53.2@39.45,31.2 41.4,31.2 43.6,29 DD4.125@49.325,29
pads on no net: DD4.1 DD4.2 DD4.3 DD4.4 DD4.5 DD4.8 DD4.9 DD4.10 DD4.11 DD4.12 DD4.32 DD4.33 DD4.34 DD4.35 DD4.50 DD4.51 DD4.52 DD4.53 DD4.56 DD4.57 DD4.58 DD4.66 DD4.79 DD4.80 DD4.92 DD4.99 DD4.100 DD4.101 DD4.106 DD4.107 DD4.108 DD4.110 DD4.111 DD4.112 DD4.115 DD4.116 DD4.117 DD4.118 DD4.134 DD4.139 DD4.140 DD4.141 DD4.144 DD4.145 DD4.150 DD4.151 DD4.152 DD4.153 DD4.154 DD4.155 DD4.156 DD4.160 DD4.162 DD4.163 DD4.167 DD4.169 DD4.170 DD4.173 DD4.174 DD4.175 DD4.176 DD5.12 DD6.9 DD6.10 XP3.8 XS1.

## Polygon pours and split planes (outlines as drawn)
no net on Top Overlay "NONET_L-01_P-001" (solid): 115.325,66.95 115.325,69.95 122.325,69.95 122.325,66.95
GND on Top Layer "GND_L01_P000" (solid, pour order 0): -15,74.6 125,74.6 125,0 0,0 -15,15
GND on Bottom Layer "GND_L04_P001" (solid, pour order 1): -15.05,74.55 124.95,74.55 124.95,-0.05 -0.05,-0.05 -15.05,14.95

## Keep-outs
Keep-Out Layer:
  lines w0.1: 41,-0.1 43,-0.1 ; 52,-0.1 43,-0.1 ; 43,-0.1 43,-0.1 ; -15,15 0,0 125,0 125,74.6 -15,74.6 -15,15

## Silkscreen, mask and mechanical layers (free items; w line width, h text height)
Top Overlay:
  lines w0.25: 98.2,28.75 103.25,28.75 ; 98.9,24.5 102.35,24.5 ; 99.2,27.35 104.425,27.35 ; 99.375,25.975 103.225,25.975
  text "LCD ILI9341" at -2.075,71.975 h1
  text "LED & BUTTONS" at 73.7,71.7 h1
  text "D2" at 43.325,71.475 h1 r90
  text "D0" at 45.925,71.475 h1 r90
  text "RD" at 48.625,71.475 h1 r90
  text "RS" at 51.025,71.45 h1 r90
  text "3.3V" at 56.45,71.4 h1
  text "D4" at 40.85,71.375 h1 r90
  text "MOS" at 15.45,71.35 h1 r90
  text "D12" at 30.75,71.35 h1 r90
  text "D10" at 33.25,71.35 h1 r90
  text "D8" at 35.825,71.35 h1 r90
  text "D6" at 38.325,71.35 h1 r90
  text "D14" at 28.25,71.325 h1 r90
  text "3.3V" at 21.2,71.275 h1
  text "SCK" at 10.4,71.225 h1 r90
  text "GND" at 20.6,71.225 h1 r90
  text "SERIAL" at 116.3,70.55 h1
  text "34" at 52.2,70.5 h1
  text "GND" at -3.975,69.775 h1
  text "2" at 7.35,69.65 h1
  text "34" at 101.625,69.5 h1
  text "2" at 56.375,69.425 h1
  text "SWCLK" at -3.925,68.25 h1
  text "3.3V" at -13.925,68.225 h1
  text "1" at 56.675,66.6 h1
  text "1" at 7.7,66.425 h1
  text "33" at 101.45,66.1 h1
  text "SDIO" at -13.95,65.675 h1
  text "SWCLK" at -14.6,63.225 h1
  text "GND" at 59.475,62.575 h1 r90
  text "PRG6" at 69.725,61.65 h1 r90
  text "P_UP" at 61.933,61.625 h1 r90
  text "PRG4" at 67.1,61.625 h1 r90
  text "PRG2" at 64.35,61.575 h1 r90
  text "SDIO" at -4,60.95 h1
  text "GND" at -13.35,60.525 h1
  text "3.3V" at -3.95,59.625 h1
  text "2" at 52.4,59.4 h1
  text "GND" at 113.45,59.325 h1
  text "3.3V" at 118.625,59.325 h1
  text "34" at 6.775,58.75 h1
  text "SWD" at -8.25,58.35 h1
  text "LCD ILI9325" at 49.725,57.9 h1
  text "RD" at 25.625,57.475 h1 r90
  text "WR" at 28.25,57.475 h1 r90
  text "D8" at 38.325,57.475 h1 r90
  text "D0" at 48.425,57.475 h1 r90
  text "D6" at 40.825,57.45 h1 r90
  text "D4" at 43.375,57.425 h1 r90
  text "CS" at 15.4,57.4 h1 r90
  text "D2" at 45.875,57.4 h1 r90
  text "D14" at 30.775,56.725 h1 r90
  text "D12" at 33.225,56.7 h1 r90
  text "D10" at 35.75,56.65 h1 r90
  text "MOSI" at 12.925,55.75 h1 r90
  text "3.3V" at 18.025,55.65 h1 r90
  text "3.3V" at 10.35,55.6 h1 r90
  text "3.3V" at 20.675,55.6 h1 r90
  text "NRST" at 23.2,55.55 h1 r90
  text "CH2(2)" at 123.025,53.9 h1 r90
  text "3.3V" at 112.6,52.625 h1
  text "GND" at 119.1,52.6 h1
  text "A" at -11.025,51.225 h1
  text "B" at -3.275,51.2 h1
  text "3.3V" at 119.275,51.125 h1
  text "GND" at 113.275,51.075 h1
  text "A" at -3.325,49.025 h1
  text "B" at -11.05,48.575 h1
  text "B" at -3.35,46.375 h1
  text "A" at -11.075,46.125 h1
  text "CH1(2)" at 123.05,45.775 h1 r90
  text "3.3V" at 112.575,44.425 h1
  text "GND" at 119.15,44.35 h1
  text "A" at -3.375,43.925 h1
  text "TX" at 89.2,43.92 h1
  text "B" at -11.1,43.475 h1
  text "GND" at 113.425,43.025 h1
  text "3.3V" at 118.75,43 h1
  text "RX" at 89.2,41.42 h1
  text "RS485" at -9.2,41.15 h1
  text "NRST" at 77.85,40.715 h1
  text "GND" at 89.575,38.97 h1
  text "CH2(1)" at 123.05,37.675 h1 r90
  text "DEBUG" at 84.8,36.455 h1
  text "3.3V" at 112.575,36.325 h1
  text "GND" at 119,36.275 h1
  text "GND" at 113.4,34.8 h1
  text "3.3V" at 118.575,34.8 h1
  text "POTENCIOMETERS" at 124.4,33.45 h1 r90
  text "3.3V" at 89.325,32.575 h1
  text "PDR_ON" at 77.425,31.517 h1
  text "SWCLK" at 89.35,30.1 h1
  text "CH1(1)" at 122.95,29.65 h1 r90
  text "3.3V" at 112.5,28.1 h1
  text "GND" at 118.85,28.1 h1
  text "SDIO" at 88.95,27.5 h1
  text "3.3V" at 118.775,26.65 h1
  text "GND" at 113.125,26.575 h1
  text "GND" at 88.95,25.1 h1
  text "SWD" at 85.75,22.625 h1
  text "BOOT0" at 78.025,22.35 h1
  text "SYNC" at 122.95,21.85 h1 r90
  text "GND" at 118.925,19.975 h1
  text "3.3V" at 112.6,19.875 h1
  text "USB" at -11.05,17.975 h1
  text "-" at 18.7,15.45 h1 r90
  text "+" at 11.275,15.408 h1
  text "+" at 60.175,15.383 h1
  text "+" at 76.425,15.358 h1
  text "-" at 35.05,15.35 h1 r90
  text "+" at 43.85,15.308 h1
  text "-" at 51.55,15.325 h1 r90
  text "+" at 27.375,15.283 h1
  text "-" at 83.95,15.3 h1 r90
  text "+" at 92.725,15.283 h1
  text "-" at 100.15,15.3 h1 r90
  text "-" at 67.75,15.275 h1 r90
  text "-" at 28.225,12.95 h1 r90
  text "-" at 12.1,12.9 h1 r90
  text "-" at 61,12.875 h1 r90
  text "-" at 77.25,12.85 h1 r90
  text "+" at 17.85,12.833 h1
  text "-" at 44.675,12.8 h1 r90
  text "-" at 93.55,12.775 h1 r90
  text "+" at 34.2,12.733 h1
  text "+" at 50.7,12.708 h1
  text "+" at 83.1,12.683 h1
  text "+" at 99.3,12.683 h1
  text "+" at 66.9,12.658 h1
  text "-" at 18.7,10.4 h1 r90
  text "-" at 35.05,10.3 h1 r90
  text "-" at 51.55,10.275 h1 r90
  text "-" at 67.75,10.225 h1 r90
  text "-" at 83.95,10.25 h1 r90
  text "-" at 100.15,10.25 h1 r90
  text "+" at 27.4,10.208 h1
  text "+" at 11.275,10.158 h1
  text "+" at 60.175,10.133 h1
  text "+" at 76.425,10.108 h1
  text "+" at 43.85,10.058 h1
  text "+" at 92.725,10.033 h1
  text "-" at 28.225,7.9 h1 r90
  text "-" at 12.1,7.85 h1 r90
  text "-" at 61,7.825 h1 r90
  text "-" at 77.25,7.8 h1 r90
  text "+" at 17.825,7.758 h1
  text "-" at 44.675,7.75 h1 r90
  text "-" at 93.55,7.725 h1 r90
  text "+" at 34.175,7.658 h1
  text "+" at 50.675,7.633 h1
  text "+" at 66.875,7.583 h1
  text "+" at 83.075,7.608 h1
  text "+" at 99.275,7.608 h1
  text "OUT_SYNC" at 76.45,5.592 h1
  text "IN_SYNC" at 93.05,5.567 h1
  text "CH1(2)" at 45.1,5.55 h1
  text "CH2(2)" at 61.375,5.55 h1
  text "CH1(1)" at 12.525,5.475 h1
  text "CH2(1)" at 28.775,5.5 h1
Bottom Overlay:
  text "NPC RADAR SERVICE" at 87.725,63.083 h3
  text "GEN PULSE BOX" at 81.2,60.108 h3
  text "v.2022.12.15" at 75.075,57.183 h3
Mechanical 2:
  text "o" at 110.354,41.154 h1
  text "o" at 71.954,30.054 h1
  text "+" at 95.854,27.8 h1
  text "o" at 96.254,18.354 h1
  text "o" at 87.954,18.254 h1
  text "+" at 100.854,17.3 h1
  text "+" at 2.454,13 h1
  text "o" at 7.254,1.554 h1
  text "+" at 34.085,1.504 h1
  text "+" at -4.115,1.004 h1

## Text inside footprints (layer, text, board x,y; h text height)
VD1: Mechanical 3 "+" at 10,50.55 h1 r270
VD2: Mechanical 3 "+" at -3.65,36.05 h1 r270
VD3: Mechanical 3 "+" at 7.925,15.2 h1 r90
VD4: Mechanical 3 "+" at 9.4,55.075 h1
VD5: Mechanical 3 "+" at 9.425,50.175 h1
VD6: Mechanical 3 "+" at 1.55,44.321 h1 r180
VD7: Mechanical 3 "+" at 1.525,48.925 h1 r180
VD9: Mechanical 3 "+" at 16.1,4.075 h1 r180
VD10: Mechanical 3 "+" at 32.45,4.125 h1 r180
VD11: Mechanical 3 "+" at 48.925,4.25 h1 r180
VD12: Mechanical 3 "+" at 65.25,4.3 h1 r180
VD13: Mechanical 3 "+" at 81.325,4.15 h1 r180
VD14: Mechanical 3 "+" at 97.725,4.15 h1 r180